# KiCad board line follower simple.kicad_pcb (continued)
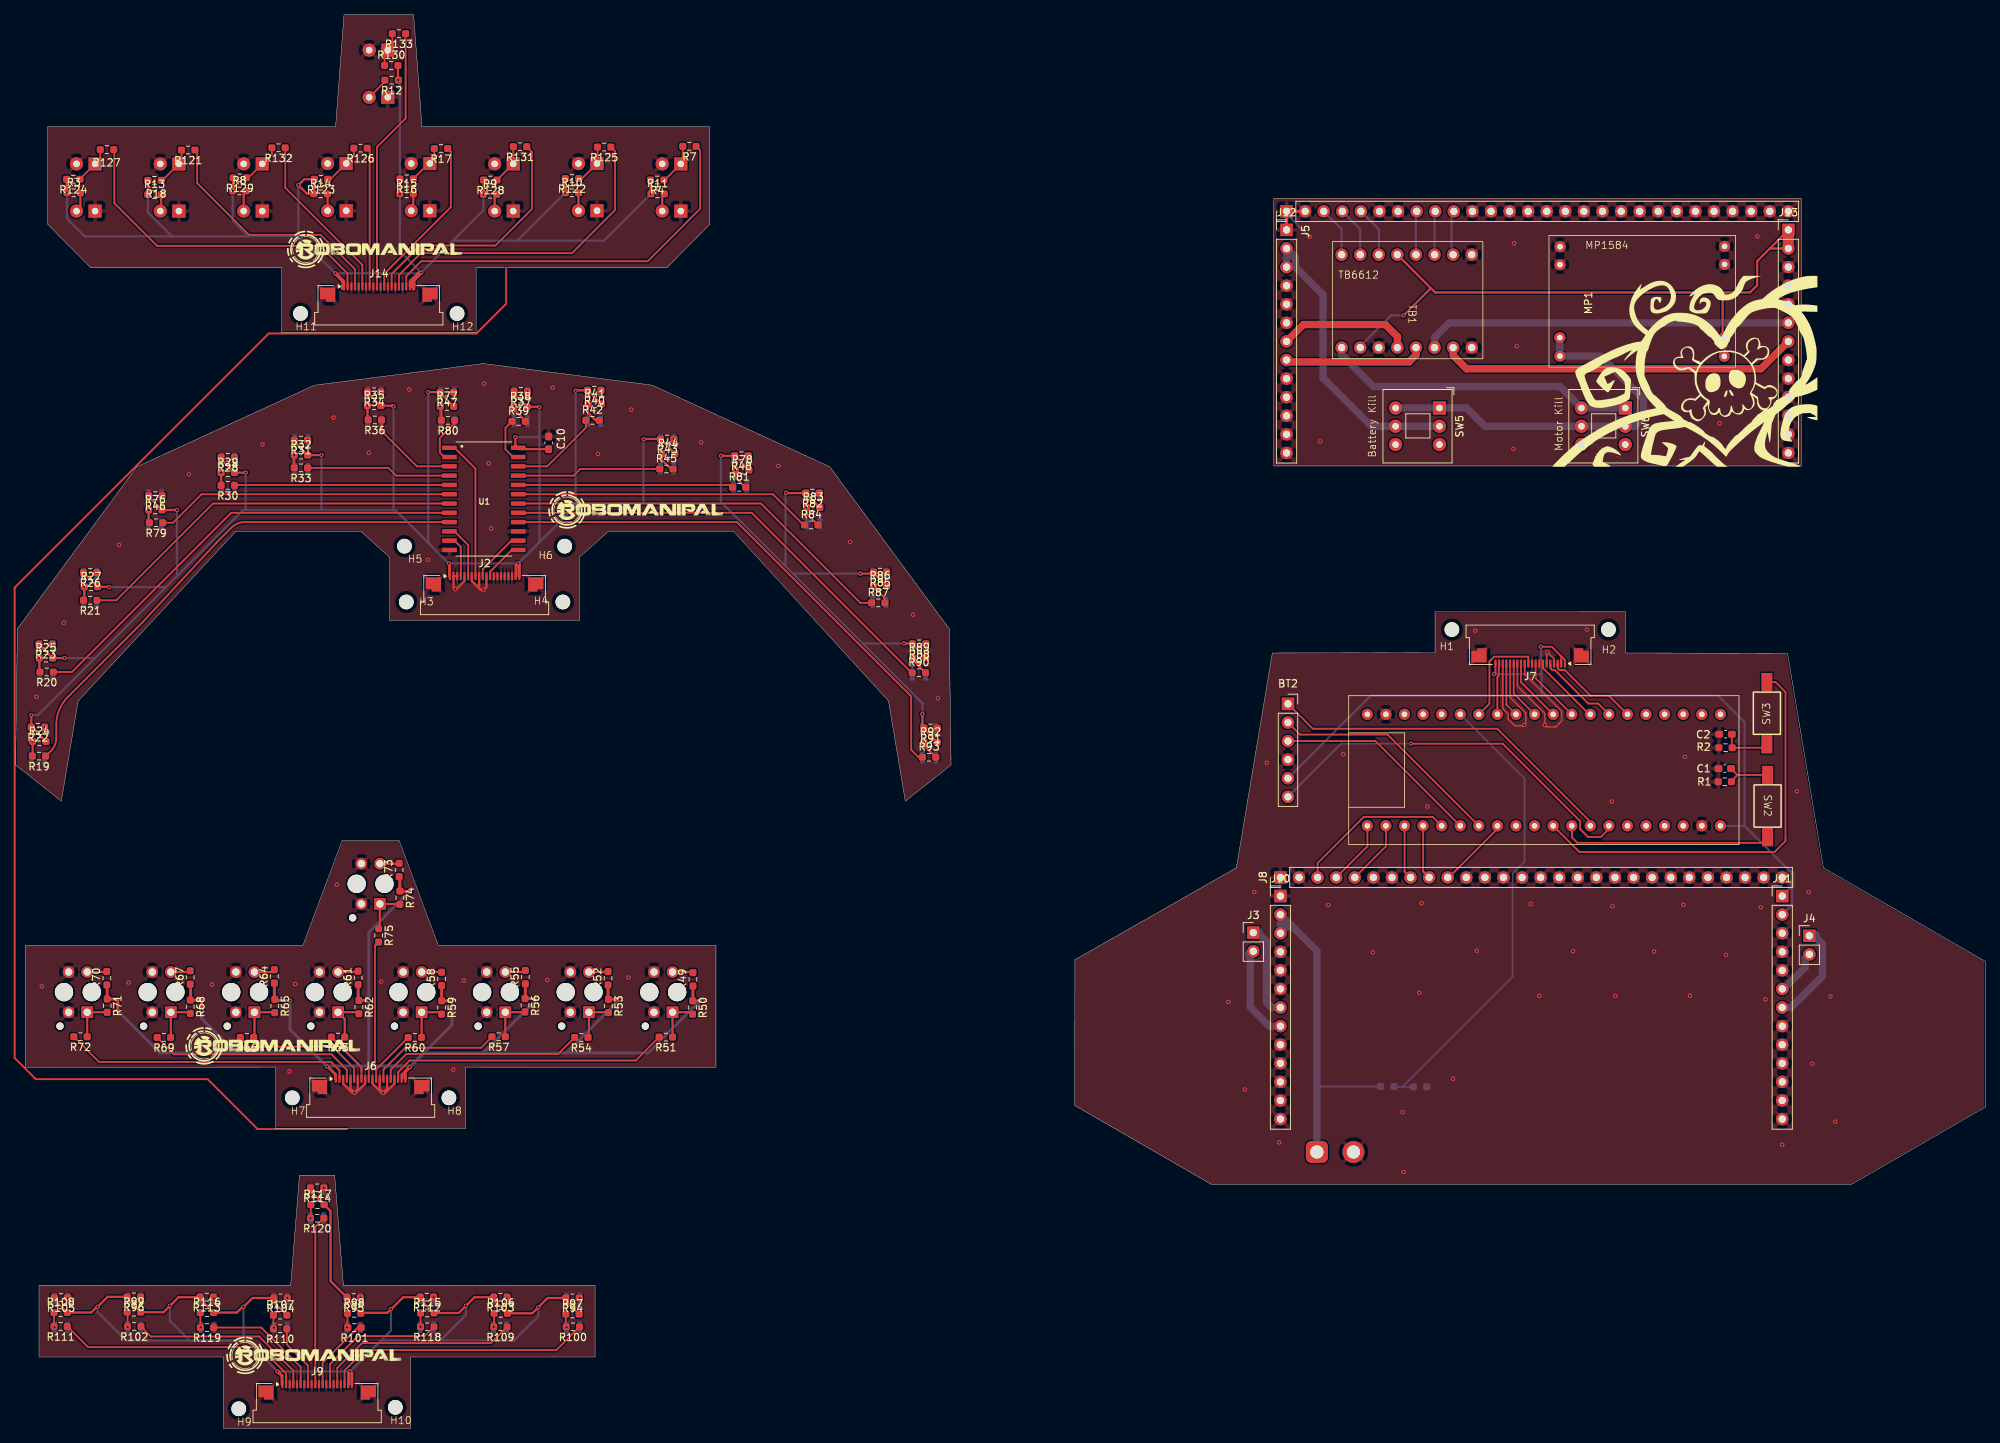
[diagram p0: board, top side]
## Routing (per net, layer and track width the routed paths; a pad name or vN(x,y) marks a point on that pad's centre or on a via; arc(x,y) is an arc through that point) (continued)
Net-(Q4-C): length 5.6
  Top w0.25: R125.2 79.53,172.94 Q4.1 77.41,170.82 R122.1
Net-(Q5-C): length 6
  Top w0.25: R123.1 43.03,170.72 Q5.1 46.23,173.92 R126.2
Net-(Q6-C): length 5.2
  Top w0.25: R127.2 11.58,173.54 Q6.1 8.8,170.76 R124.1
Net-(Q7-C): length 5.5
  Top w0.25: R131.2 68.03,172.84 Q7.1 68,172.82 R128.1
Net-(Q8-C): length 5.7
  Top w0.25: R129.1 31.82,170.92 Q8.1 35.03,174.14 R132.2
Net-(Q9-C): length 4.8
  Top w0.25: R130.1 50.43,187.94 Q9.1 51.48,188.99 R133.2
Net-(R19-Pad2): length 4.6
  Top w0.2: 2.3,93.68 2.46,93.84
  Top w0.3: v1(2.34,93.88) 2.34,91.93 R19.2
  Bottom w0.2: 2.1,91.6 2.15,91.65
  Bottom w0.3: 2.15,91.65 2.34,91.84 v1(2.34,93.88)
Net-(R20-Pad2): length 4.2
  Top w0.3: v1(3.24,105.28) 3.24,103.48 R20.2
  Bottom w0.3: U11.3 3.3,105.21 v1(3.24,105.28)
Net-(R21-Pad2): length 4.3
  Top w0.3: 9.64,115.03 v1(9.39,115.03) 9.39,113.28 R21.2
  Bottom w0.3: U12.3 9.3,113.13 9.39,113.21 v1(9.39,115.03)
Net-(R22-Pad1): length 0.5
  Bottom w0.3: 4.1,95.75 U10.1 4,95.65 4,95.79 v1(3.96,95.83)
Net-(R23-Pad1): length 0.3
  Bottom w0.3: v1(5.01,107.18) 5.05,107.14 5.05,107 U11.1
Net-(R26-Pad1): length 0.1
  Bottom w0.3: v1(11.11,116.98) 11.1,116.96 U12.1
Net-(R28-Pad1): length 0.1
  Bottom w0.3: v1(29.91,132.73) 29.95,132.69 U13.1
Net-(R29-Pad1): length 3.8
  Top w0.3: v1(28.09,130.62) R30.2
  Bottom w0.3: 28.15,128.65 28.09,128.71 v1(28.09,130.62)
Net-(R31-Pad1): length 0.6
  Bottom w0.3: v1(39.91,135.08) 39.94,135.1 U14.1 39.95,135.62
Net-(R32-Pad1): length 3.8
  Top w0.3: v1(38.09,133.03) R33.2
  Bottom w0.3: U14.3 37.89,131.41 37.89,132.83 v1(38.09,133.03)
Net-(R34-Pad1): length 0.6
  Bottom w0.3: 49.95,142.08 U15.1 49.92,141.63 49.92,141.66 v1(49.91,141.68)
Net-(R35-Pad1): length 4.5
  Top w0.3: 47.79,139.83 47.79,139.81 47.83,139.78 v1(48.09,139.78) 48.09,137.93 R36.2
  Bottom w0.3: v1(48.09,139.78) 48.09,137.71 U15.3
Net-(R37-Pad1): length 0.1
  Bottom w0.3: v1(69.96,141.73) 69.95,141.71 U16.1
Net-(R38-Pad1): length 4.7
  Top w0.3: R39.2 69.66,137.71 68.09,139.29 v1(68.09,139.62)
  Bottom w0.3: v1(68.09,139.62) 68.09,137.71 U16.3
Net-(R40-Pad1): length 0.9
  Bottom w0.3: v1(80.01,141.88) 80.02,141.87 80.02,141.67 U17.1 79.95,142.23
Net-(R41-Pad1): length 5.2
  Top w0.3: v1(78.24,140.03) 78.24,138.8 79.31,137.73
  Bottom w0.3: U17.3 78.15,139.94 v1(78.24,140.03)
Net-(R43-Pad1): length 0.1
  Bottom w0.3: U18.1 89.95,135.21 v1(89.96,135.23)
Net-(R44-Pad1): length 5.1
  Top w0.3: R45.2 89.56,131.12 88.29,132.4 v1(88.29,133.23)
  Bottom w0.3: U18.3 88.29,131.29 v1(88.29,133.23)
Net-(R46-Pad1): length 0.1
  Bottom w0.3: U21.1 19.95,127.54 v1(20.01,127.48)
Net-(R47-Pad1): length 0.1
  Bottom w0.3: v1(59.86,141.62) 59.89,141.65 59.9,141.65 U22.1
Net-(R48-Pad1): length 0.5
  Top w0.3: 100.46,132.83 100.46,132.73
  Bottom w0.3: v1(100.11,132.93) 100.1,132.91 100.1,132.75 U23.1
Net-(R49-Pad2): length 2.8
  Top w0.3: U2.4 92.48,62.38 R49.2
Net-(R50-Pad2): length 6.2
  Top w0.3: R50.2 92.26,56.88 U2.1 89.79,56.76 89.78,56.76 R51.1
Net-(R52-Pad2): length 2.6
  Top w0.3: U4.4 80.91,62.38 R52.2
Net-(R53-Pad2): length 6.2
  Top w0.3: R53.2 80.96,56.88 U4.1 78.36,53.55 R54.1
Net-(R55-Pad2): length 2.8
  Top w0.3: R55.2 69.46,62.38 U5.4
Net-(R56-Pad2): length 6.1
  Top w0.3: R57.1 66.93,53.53 U5.1 69.58,56.88 R56.2
Net-(R58-Pad2): length 2.7
  Top w0.3: R58.2 58.18,62.38 U6.4
Net-(R59-Pad2): length 6.3
  Top w0.3: R60.1 55.5,53.44 U6.1 57.96,56.88 R59.2
Net-(R61-Pad2): length 2.8
  Top w0.3: R61.2 46.71,62.38 U7.4
Net-(R62-Pad2): length 6.7
  Top w0.3: R63.1 44.98,55.96 U7.1 46.71,56.88 R62.2
Net-(R64-Pad2): length 2.9
  Top w0.3: R64.2 35.06,62.38 U8.4
Net-(R65-Pad2): length 6.3
  Top w0.3: R65.2 35.36,56.88 U8.1 32.64,53.53 R66.1
Net-(R67-Pad2): length 2.7
  Top w0.3: U9.4 23.71,62.38 R67.2
Net-(R68-Pad2): length 6.2
  Top w0.3: R68.2 23.71,56.88 U9.1 21.21,53.46 R69.1
Net-(R70-Pad2): length 2.7
  Top w0.3: R70.2 12.41,62.38 U19.4
Net-(R71-Pad2): length 6.1
  Top w0.3: R72.1 9.79,53.53 U19.1 12.51,56.88 R71.2
Net-(R73-Pad2): length 2.8
  Top w0.3: U20.4 52.46,77.18 52.52,77.24
Net-(R74-Pad2): length 6.2
  Top w0.3: R74.2 52.46,71.68 U20.1 49.79,68.45 R75.1
Net-(R76-Pad1): length 3.7
  Top w0.3: v1(18.19,125.53) 18.19,123.88 R79.2
  Bottom w0.3: U21.3 18.15,123.78 18.19,123.81 v1(18.19,125.53)
Net-(R77-Pad1): length 4
  Top w0.3: v1(58.04,139.68) 58.19,139.53 R80.2
  Bottom w0.3: U22.3 58.04,137.76 v1(58.04,139.68)
Net-(R78-Pad1): length 5.6
  Top w0.3: R81.2 99.71,128.62 98.39,129.95 v1(98.39,130.98)
  Bottom w0.3: 97.92,128.65 98.15,128.65 98.15,130.74 v1(98.39,130.98)
Net-(R82-Pad1): length 0.3
  Bottom w0.3: v1(109.81,127.83) 109.95,127.69 U24.1
Net-(R83-Pad1): length 5.4
  Top w0.3: v1(108.09,125.88) 108.09,125.05 R84.2
  Bottom w0.3: v1(108.09,125.88) 108.09,124.09 108.15,124.03 U24.3
Net-(R85-Pad1): length 0.6
  Bottom w0.3: v1(119.06,117.03) 119.06,116.96 U25.1 118.95,117.28
Net-(R86-Pad1): length 5.2
  Top w0.3: R87.2 118.81,113.46 117.24,115.04 v1(117.24,115.13)
  Bottom w0.3: U25.3 117.24,112.99 v1(117.24,115.13)
Net-(R88-Pad1): length 0.9
  Bottom w0.3: U26.1 124.35,107.53
  Bottom w0.4: v1(124.41,107.23) 124.45,107.19 124.45,107.05 U26.1
Net-(R89-Pad1): length 5.2
  Top w0.3: v1(122.59,105.33) 122.59,105.05 R90.2
  Bottom w0.3: 122.53,103 U26.3 122.55,105.29 v1(122.59,105.33)
Net-(R91-Pad1): length 0.3
  Bottom w0.3: U27.1 125.88,95.73 v1(125.96,95.73)
Net-(R92-Pad1): length 5.1
  Top w0.3: 124.25,93.66 v1(124.14,93.78) 124.14,93.35 R93.2
  Bottom w0.3: 123.95,91.65 123.95,92.08 124.14,92.26 v1(124.14,93.78)
Net-(R94-Pad1): length 0.1
  Top w0.25: v1(77.11,17.75) 77.04,17.83 R94.1
Net-(R95-Pad1):
  vias: v1(47.12,17.88)
Net-(R96-Pad1): length 0.2
  Top w0.25: v1(17.11,17.78) 17.08,17.81 R96.1
Net-(R100-Pad2): length 2
  Top w0.25: R97.1 75.2,13.91 v1(75.31,13.8) 75.25,13.86 R100.2
Net-(R101-Pad2): length 2.1
  Top w0.25: R98.1 45.35,13.83 R101.2 45.34,13.78 v1(45.31,13.8)
Net-(R102-Pad2): length 2.1
  Top w0.25: R99.1 15.3,15.83 15.3,13.84 v1(15.31,13.83)
Net-(R103-Pad1): length 0.2
  Top w0.25: v1(67.11,17.75) 67.17,17.81 R103.1
Net-(R104-Pad1):
  vias: v1(37.12,17.83)
Net-(R105-Pad1): length 0.1
  Top w0.25: R105.1 7.12,17.76 v1(7.11,17.75)
Net-(R106-Pad1): length 1.9
  Top w0.25: v1(65.35,13.88) 65.4,13.93 R106.1
Net-(R107-Pad1): length 2
  Top w0.25: v1(35.31,13.75) 35.25,13.69 R110.2 R107.1
Net-(R108-Pad1): length 2.1
  Top w0.25: R108.1 R111.2 5.25,13.86 v1(5.31,13.8)
Net-(R112-Pad1): length 0.2
  Bottom w0.25: v1(57.13,17.93) 57.11,17.91 U34.1
Net-(R113-Pad1): length 0.2
  Top w0.25: R113.1 27.02,17.84 v1(27.11,17.75)
Net-(R114-Pad1): length 0.2
  Bottom w0.25: v1(42.12,32.88) 42.11,32.86 U36.1
Net-(R115-Pad1): length 2
  Top w0.25: R115.1 v1(55.35,13.88)
  Bottom w0.25: U34.3 55.31,13.84 v1(55.35,13.88)
Net-(R116-Pad1): length 2.1
  Top w0.25: R116.1 R119.2 25.29,13.78 v1(25.31,13.8)
Net-(R117-Pad1): length 1.9
  Top w0.25: R117.1 40.35,28.78 v1(40.3,28.73)
  Bottom w0.25: 40.31,28.75 40.31,28.74 v1(40.3,28.73)

## Copper pours and planes (outline as drawn; the poured copper is in the pictures)
+3.3V on Top: 59.7,116.18 59.73,118.76 58.65,118.78 58.73,116.1
GND on Top: 51.1,110.4 77.05,110.4 77.05,119.06 81.05,122.65 98.15,122.65 119.3,99.45 121.6,85.75 127.85,90.7 127.6,109.3 111.25,131.45 87,142.6 63.95,145.55 63.9,145.55 40.85,142.6 16.55,131.4 0.25,109.3 0,90.7 6.25,85.75 8.55,99.45 30.17,122.7 47.08,122.7 51.1,119.1
GND on Top, Bottom: 3.2,19.55 3.2,9.75 28.4,9.75 28.4,0 54,0 54,9.75 79.2,9.75 79.2,19.55 44.8,19.55 43.6,34.6 38.8,34.6 37.6,19.55
GND on Top, Bottom: 171.95,168.12 244.05,168.12 244.05,131.56 171.95,131.56
GND on Top, Bottom: 44.72,80.28 52.32,80.33 57.77,66.03 95.72,66.03 95.72,49.33 61.57,49.37 61.57,41.03 35.57,41.03 35.57,49.38 1.32,49.38 1.32,66.03 39.27,66.03
GND on Top, Bottom: 36.34,149.77 62.94,149.77 62.94,158.62 88.99,158.62 94.89,164.57 94.89,177.92 55.54,177.92 54.39,193.22 44.89,193.22 43.74,177.92 4.39,177.92 4.39,164.57 10.29,158.62 36.34,158.62
GND on Top, Bottom: 244.05,168.12 244.05,131.56 171.95,131.56 171.95,168.12
GND on Top, Bottom: 194,111.55 220,111.61 220,105.95 242,105.93 246.9,76.58 269.05,63.83 269.05,43.93 250.8,33.38 163.25,33.38 144.6,44.12 144.65,64.03 166.7,76.63 171.6,105.98 194,105.97
GND on Bottom: 51.15,110.4 77.05,110.4 77.05,119.05 81.1,122.65 98.25,122.65 119.3,99.45 121.6,85.75 127.85,90.7 127.6,109.3 111.25,131.45 87,142.6 63.95,145.55 63.9,145.55 40.85,142.6 16.55,131.4 0.25,109.3 0,90.7 6.25,85.75 8.55,99.45 30.17,122.7 47.08,122.7 51.15,119.06

## Text on the board
F.Silkscreen: TB6612 | MP1584 | Battery Kill | Motor Kill
